# KiCad board main - copyOK.kicad_pcb (continued)
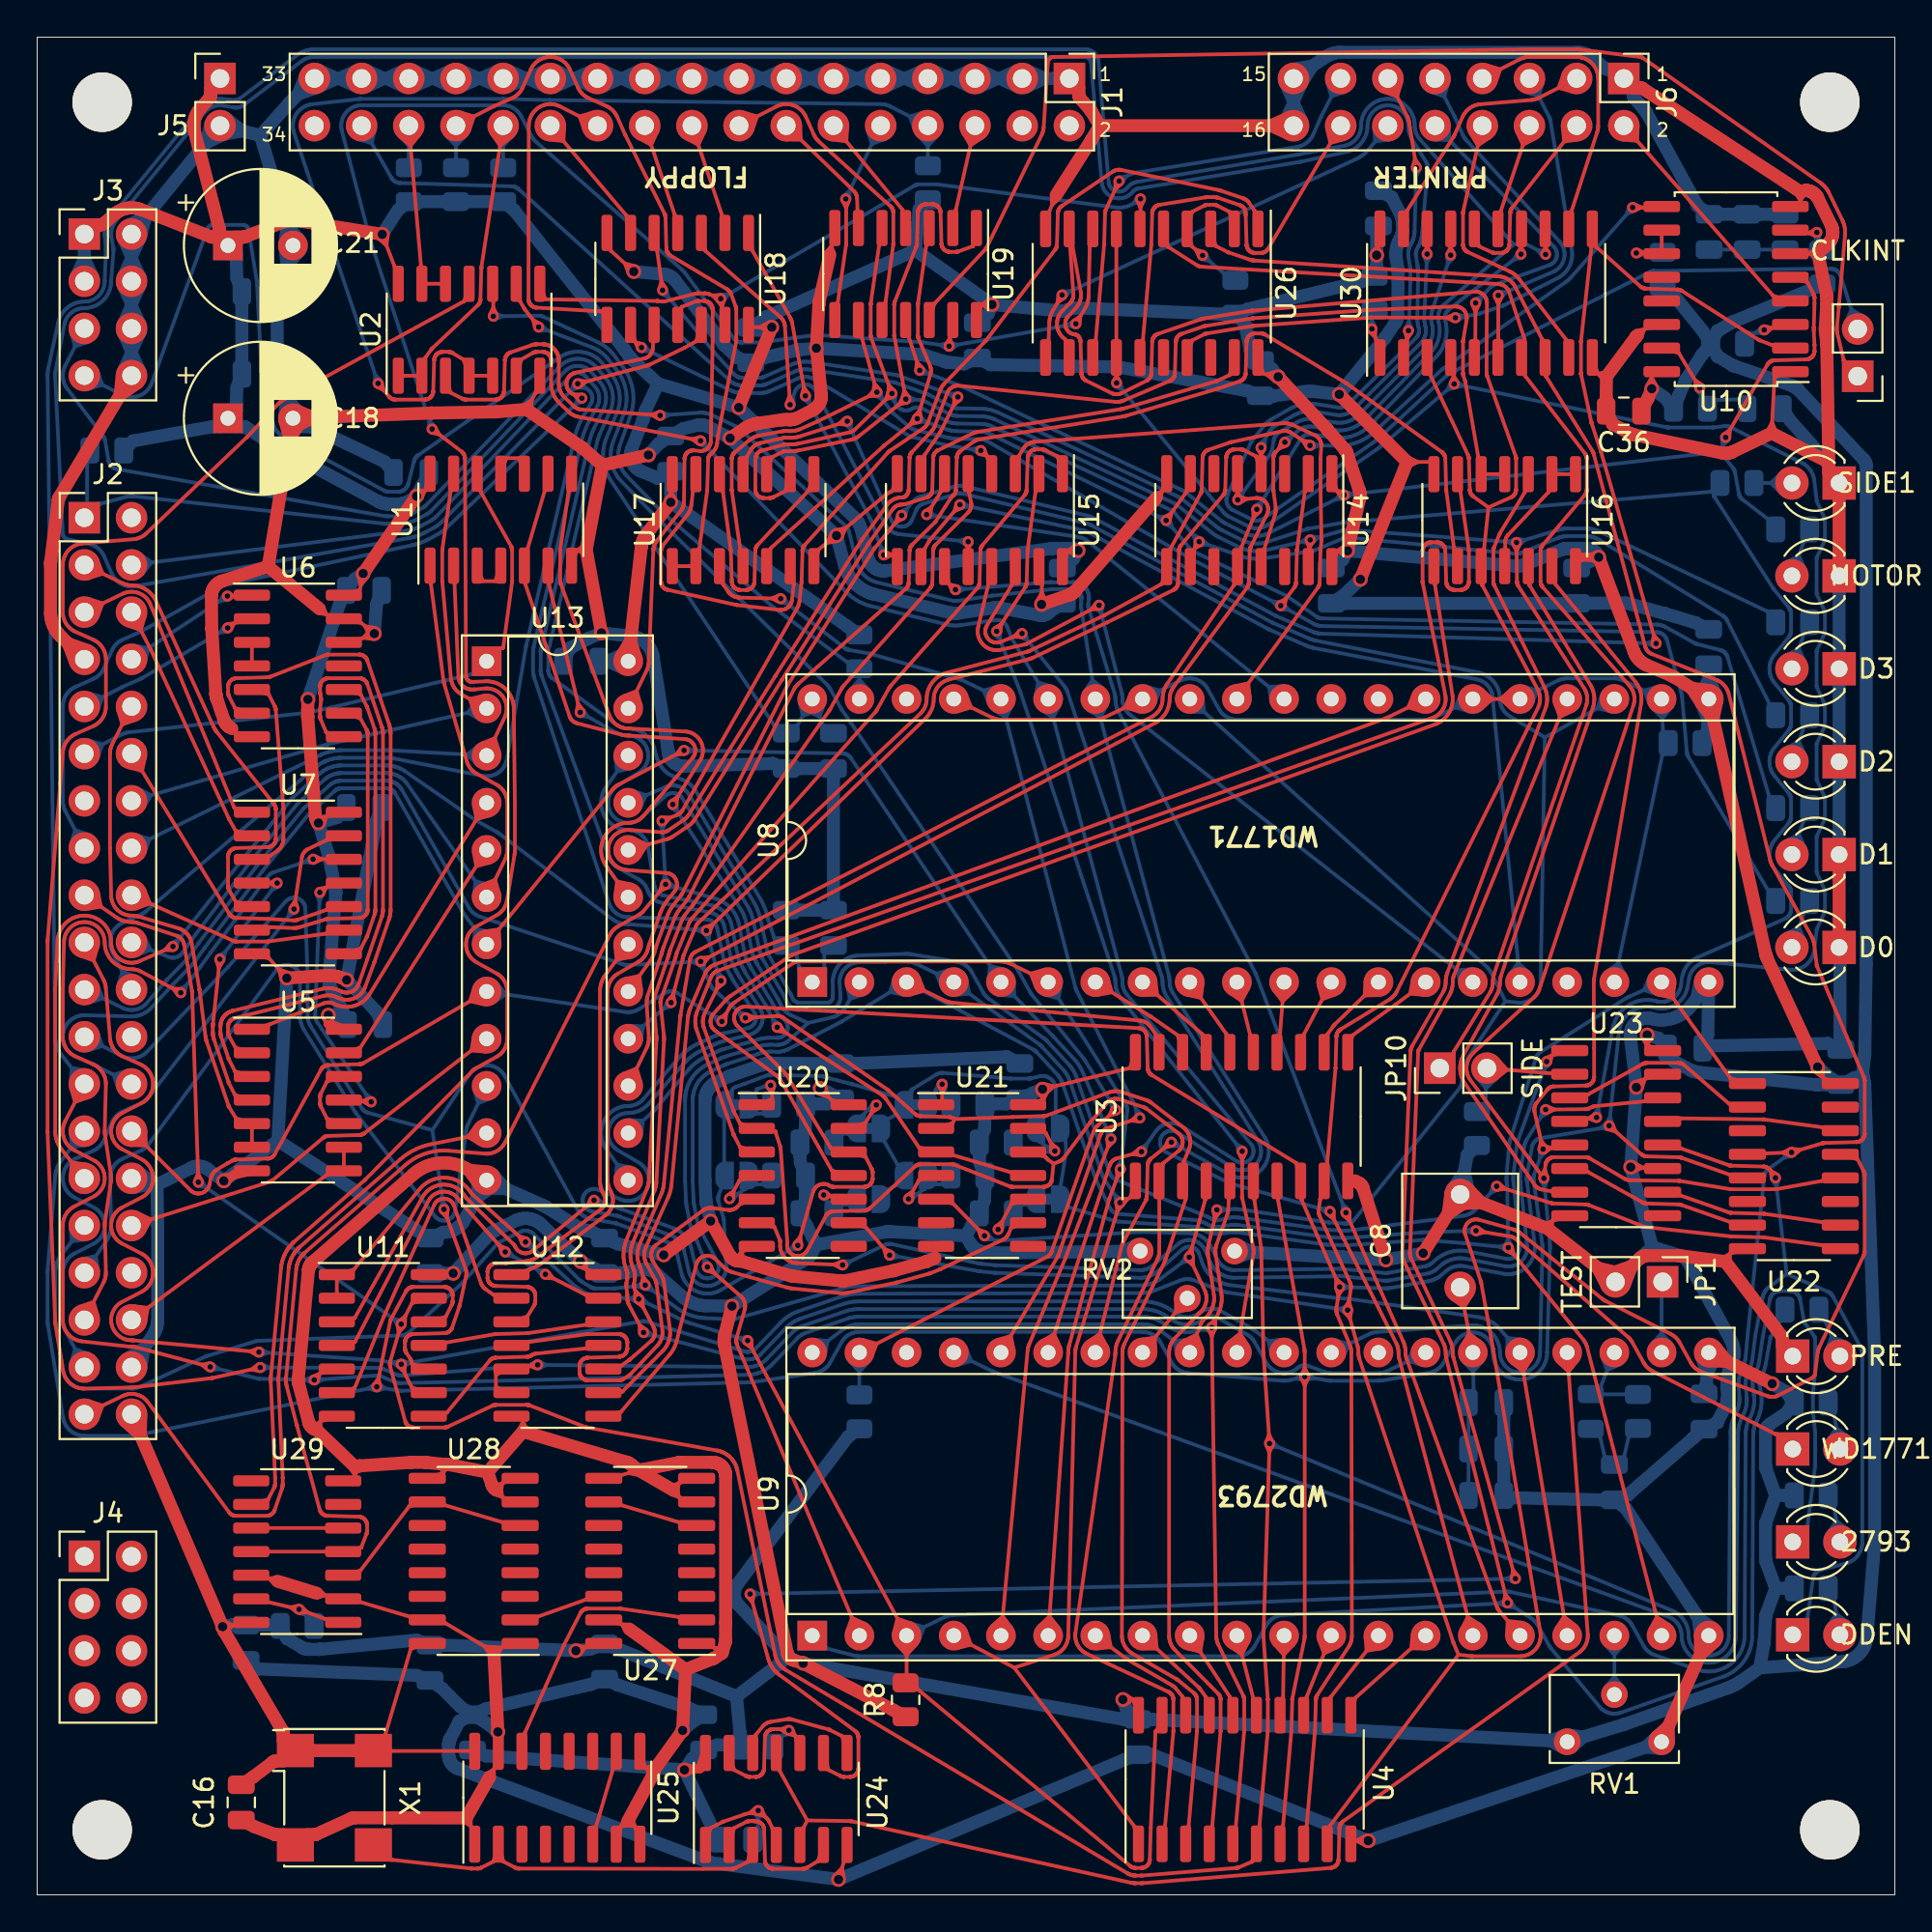
[diagram p0: board, top side]
## Routing (per net, layer and track width the routed paths; a pad name or vN(x,y) marks a point on that pad's centre or on a via; arc(x,y) is an arc through that point) (continued)
  Bottom w0.2: 87.22,48.47 86.49,48.71 86.8,49.41 ; JP9.1 47.06,43.18 47.06,43.28 47.06,43.3 47.07,43.32 47.08,43.34 47.09,43.36 47.11,43.37 48.4,44.16 48.42,44.17 48.45,44.19 48.48,44.2 48.5,44.21 48.53,44.22 48.56,44.23 48.59,44.23 48.62,44.24 48.65,44.24 48.68,44.25 48.71,44.25 48.74,44.25 48.77,44.25 52.4,43.94 52.42,43.94 53.37,43.94 53.4,43.94 53.45,43.94 53.48,43.95 53.49,43.95 53.96,44.06 54,44.07 54.04,44.07 54.08,44.08 54.12,44.08 54.17,44.08 54.21,44.07 54.25,44.07 54.29,44.06 54.33,44.04 54.37,44.03 54.41,44.01 54.45,43.99 54.49,43.97 54.52,43.95 54.56,43.92 54.59,43.9 54.62,43.87 54.65,43.84 54.68,43.8 54.7,43.77 54.73,43.73 54.75,43.7 54.77,43.66 54.78,43.62 54.8,43.58 54.81,43.54 54.82,43.5 54.82,43.45 54.83,43.41 54.83,43.37 54.83,41.91 JP7.1 55.35,40.6 55.36,40.58 55.36,40.57 55.39,40.08 55.39,40.06 55.39,40.04 55.39,40.02 55.39,40 55.39,39.98 55.39,39.96 55.38,39.94 55.1,38.2 55.1,38.2 JP6.1 55.53,37.01 55.54,37.01 58,36.28 58.03,36.27 58.06,36.26 58.09,36.26 58.12,36.25 58.15,36.25 58.19,36.24 58.22,36.24 62.13,35.98 62.2,35.97 62.28,35.96 62.35,35.95 62.43,35.93 62.5,35.91 62.57,35.89 62.64,35.86 62.71,35.83 62.78,35.8 62.84,35.76 62.86,35.75 62.92,35.72 62.97,35.69 63.03,35.67 63.09,35.65 63.15,35.63 63.21,35.61 63.27,35.6 63.34,35.59 63.4,35.59 63.46,35.58 63.53,35.58 63.59,35.58 63.65,35.59 64.34,35.67 64.38,35.67 64.41,35.67 64.45,35.67 64.49,35.67 64.52,35.67 64.56,35.67 64.59,35.67 69.35,35.01 69.39,35 69.43,35 69.48,35 69.52,34.99 69.56,34.99 70.15,34.98 70.19,34.98 70.22,34.98 70.26,34.98 70.31,34.97 70.36,34.97 70.4,34.97 70.44,34.97 70.49,34.97 70.53,34.97 70.57,34.97 74.56,35.25 74.59,35.25 74.63,35.25 74.66,35.25 76.79,35.08 76.84,35.08 v2(79.19,34.84) 79.13,38.15 79.13,38.18 79.13,38.21 79.12,38.23 79.12,38.25 79.11,38.32 79.1,38.39 79.1,38.46 79.1,38.53 79.1,38.6 79.1,38.67 79.1,38.73 79.23,40.29 79.24,40.35 79.24,40.41 79.25,40.46 79.26,40.52 79.28,40.58 79.29,40.64 79.31,40.69 80.67,45.04 80.68,45.07 80.7,45.1 80.71,45.12 80.72,45.15 80.74,45.18 80.75,45.2 80.77,45.23 80.79,45.25 80.81,45.27 80.83,45.3 80.86,45.32 80.88,45.34 80.91,45.35 80.93,45.37 85.45,48.22 85.5,48.24 85.54,48.27 85.59,48.3 85.64,48.32 85.68,48.34 85.73,48.37 U8.19 ; JP9.1 46.2,42.97 46.19,42.97 43.89,43.63 43.84,43.65 42.65,43.95 42.61,43.96 42.35,44.05 42.33,44.05 42.3,44.06 42.28,44.06 42.26,44.07 42.23,44.07 42.21,44.07 42.19,44.07 42.16,44.08 39.77,44.13 39.74,44.13 39.71,44.14 39.68,44.14 39.64,44.14 39.53,44.15 39.5,44.15 39.48,44.15 39.45,44.15 39.43,44.15 39.4,44.14 39.38,44.14 39.35,44.14 39.33,44.13 39.31,44.12 39.28,44.11 38.12,43.67 38.06,43.65 38.04,43.64 37.58,43.49 37.5,43.45 37.43,43.38 37.35,43.21 ; JP9.1 46.25,42 46.24,42 45.84,41.79 45.83,41.79 JP3.1 45.61,40.55 45.61,40.54 46.3,39.34 46.31,39.32 JP8.1 46.25,38.19 46.24,38.19 45.84,37.98 45.83,37.98 JP2.1 ; 37.35,43.21 JP5.1 36.98,41.78 36.98,39.47 JP4.1 36.82,38.01 36.7,37.69 36.68,37.66 36.68,37.63 36.67,37.6 36.66,37.57 36.66,37.54 36.66,37.51 36.66,37.48 36.66,37.44 36.66,37.41 36.66,37.38 36.67,37.35 36.67,37.32 36.68,37.29 36.93,36.48 36.94,36.45 36.95,36.43 36.95,36.41 36.96,36.38 36.96,36.36 36.96,36.33 36.97,36.31 37.1,33.85 37.1,33.79 37.09,33.72 37.09,33.66 37.08,33.6 37.06,33.54 37.05,33.48 37.02,33.42 37,33.36 36.97,33.3 36.94,33.25 36.9,33.2 36.87,33.15 36.82,33.1 36.78,33.06 36.73,33.01 36.68,32.97 36.63,32.94 36.58,32.91 36.52,32.88 36.46,32.85 36.4,32.83 36.34,32.81 36.28,32.8 36.22,32.79 36.16,32.78 36.1,32.78 36.03,32.78 35.97,32.78 35.91,32.79 35.85,32.8 35.78,32.82 35.72,32.84 35.67,32.86 35.61,32.89 35.55,32.92 35.5,32.95 35.45,32.99 35.4,33.03 35.36,33.07 35.31,33.12 35.27,33.17 35.24,33.22 35.2,33.27 35.17,33.33 35.14,33.38 35.12,33.44 35.1,33.5 35.08,33.56 34.82,34.7 34.8,34.76 34.78,34.82 34.76,34.88 34.74,34.93 34.71,34.99 34.68,35.04 34.64,35.09 34.61,35.14 34.57,35.19 34.52,35.23 34.48,35.27 34.43,35.31 34.38,35.35 34.33,35.39 34.28,35.42 34.23,35.45 34.17,35.47 34.11,35.5 31.36,36.51 31.32,36.53 31.29,36.53 31.24,36.55 31.2,36.56 31.19,36.56 29.87,36.79 29.83,36.8 29.8,36.81 29.76,36.82 29.73,36.84 29.69,36.85 29.66,36.87 29.63,36.89 29.6,36.92 29.57,36.94 29.54,36.97 29.51,36.99 29.49,37.02 29.47,37.06 29.45,37.09 29.43,37.12 29.41,37.16 29.4,37.19 29.39,37.23 29.38,37.27 29.37,37.3 29.37,37.34 29.37,37.38 29.37,37.42 29.37,37.46 29.37,37.49 29.38,37.53 29.39,37.57 29.4,37.6 29.42,37.64 29.44,37.67 29.45,37.71 29.47,37.74 29.5,37.77 29.52,37.8 29.55,37.83 29.58,37.85 29.61,37.88 29.64,37.9 29.67,37.92 29.7,37.94 29.74,37.95 29.77,37.97 29.81,37.98 29.85,37.99 29.88,37.99 29.92,38 29.96,38 30,38 30.04,38 30.07,37.99 30.11,37.99 30.15,37.98 30.18,37.97 30.22,37.95 31.37,37.45 31.44,37.42 31.5,37.4 31.57,37.38 31.63,37.37 31.7,37.36 31.77,37.36 31.84,37.36 31.91,37.36 31.98,37.37 32.04,37.38 32.11,37.4 32.17,37.42 32.24,37.44 32.3,37.47 32.36,37.5 32.42,37.53 32.48,37.57 32.53,37.62 32.58,37.66 32.63,37.71 32.67,37.76 32.72,37.82 32.75,37.87 32.79,37.93 32.82,37.99 32.85,38.06 32.87,38.12 32.89,38.19 32.91,38.25 32.92,38.32 32.92,38.39 32.93,38.46 32.92,38.52 32.92,38.59 32.91,38.66 32.89,38.73 32.88,38.79 32.85,38.86 32.83,38.92 32.8,38.98 32.76,39.04 32.73,39.1 32.69,39.16 32.64,39.21 32.59,39.26 32.54,39.3 32.49,39.35 32.44,39.39 32.38,39.42 31.27,40.07 31.21,40.11 31.16,40.15 31.11,40.19 31.06,40.23 31.02,40.28 30.97,40.33 30.93,40.38 30.9,40.44 30.86,40.49 30.84,40.55 30.81,40.61 30.79,40.68 30.77,40.74 30.76,40.8 30.74,40.87 30.74,40.93 30.74,41 30.74,41.06 30.74,41.13 30.75,41.19 30.77,41.26 30.78,41.32 30.8,41.38 30.83,41.44 30.86,41.5 30.89,41.56 30.92,41.62 30.96,41.67 31,41.72 31.05,41.77 31.1,41.81 31.15,41.85 31.2,41.89 31.25,41.93 31.31,41.96 31.37,41.99 31.43,42.02 31.49,42.04 31.56,42.05 31.62,42.07 31.69,42.08 31.75,42.08 31.82,42.09 31.89,42.09 31.97,42.09 32.05,42.1 32.12,42.12 32.2,42.14 32.27,42.16 32.35,42.19 32.42,42.22 32.49,42.25 32.56,42.29 32.62,42.33 32.69,42.37 32.75,42.42 32.81,42.47 32.86,42.53 32.91,42.58 34.78,44.71 34.8,44.74 34.83,44.77 34.86,44.8 34.89,44.83 34.96,44.9 35.02,44.96 35.08,45.01 35.14,45.06 35.2,45.11 35.26,45.16 35.33,45.2 35.41,45.26 35.47,45.29 35.52,45.33 35.57,45.36 35.63,45.39 35.68,45.42 35.74,45.44 36.43,45.76 36.47,45.78 36.56,45.82 36.62,45.85 36.69,45.87 36.76,45.9 36.83,45.92 36.9,45.94 36.97,45.96 38.35,46.31 38.4,46.32 38.46,46.34 38.51,46.36 38.56,46.38 38.61,46.41 38.65,46.44 38.7,46.47 38.74,46.51 38.78,46.55 38.82,46.58 38.85,46.63 38.89,46.67 38.92,46.72 38.94,46.76 38.97,46.81 38.99,46.86 39.01,46.92 39.02,46.97 39.04,47.02 39.05,47.08 39.05,47.13 39.06,47.19 39.05,47.24 39.05,47.3 39.04,47.35 39.03,47.41 39.02,47.46 39,47.51 38.98,47.56 38.96,47.61 38.94,47.66 38.91,47.71 37.83,49.37 37.8,49.42 37.78,49.47 37.75,49.51 37.72,49.56 37.7,49.61 37.68,49.65 37.66,49.68 37.64,49.72 37.63,49.74 37.58,49.82 37.54,49.89 37.5,49.98 37.46,50.06 37.43,50.14 37.4,50.23 37.37,50.31 37.35,50.4 37.33,50.49 37,52.11 36.99,52.16 36.97,52.21 36.95,52.26 36.93,52.32 36.91,52.36 36.88,52.41 36.85,52.46 36.82,52.5 36.78,52.55 36.74,52.59 36.71,52.63 36.66,52.66 36.62,52.7 36.58,52.73 36.53,52.76 36.48,52.79 36.43,52.81 36.38,52.83 36.33,52.85 36.27,52.87 36.22,52.88 33.63,53.4 33.58,53.41 33.52,53.42 33.47,53.44 33.42,53.46 33.37,53.49 33.32,53.51 33.27,53.54 33.23,53.57 33.18,53.61 33.14,53.64 33.1,53.68 33.06,53.72 33.03,53.77 33,53.81 32.97,53.86 32.94,53.91 32.91,53.95 32.89,54.01 32.87,54.06 32.86,54.07 32.84,54.13 32.82,54.18 32.79,54.23 32.76,54.28 32.73,54.33 32.7,54.38 32.66,54.42 32.63,54.47 32.59,54.51 32.54,54.54 32.5,54.58 32.45,54.62 32.4,54.65 32.36,54.68 31.28,55.28 31.23,55.3 31.18,55.34 31.14,55.37 31.09,55.4 31.05,55.44 31.01,55.48 30.97,55.52 30.94,55.57 30.9,55.61 30.87,55.66 30.85,55.71 30.82,55.76 30.8,55.81 30.78,55.86 27.16,65.59 27.15,65.63 27.14,65.66 27.13,65.7 27.13,65.72 27.12,65.74 27.12,65.76 27.12,65.78 27.11,65.8 27.11,65.85 27.11,65.89 27.1,65.93 27.1,66.88 27.11,66.92 27.11,66.97 27.11,67.01 27.12,67.04 27.12,67.07 27.13,67.09 29.73,78.25 29.76,78.35 29.78,78.45 29.82,78.55 29.85,78.65 29.89,78.75 29.93,78.85 29.98,78.95 30.49,79.99 30.52,80.06 30.55,80.13 30.57,80.19 30.59,80.26 30.61,80.34 30.62,80.41 30.62,80.48 30.63,80.55 30.62,80.63 30.62,80.7 30.61,80.77 30.6,80.84 30.58,80.91 30.56,80.98 30.53,81.05 30.5,81.12 30.47,81.18 30.44,81.25 30.4,81.31 30.35,81.37 30.31,81.42 29.83,81.97 29.79,82.02 29.75,82.06 29.7,82.09 29.66,82.13 29.61,82.16 29.56,82.19 29.51,82.21 29.46,82.24 29.4,82.26 29.35,82.27 29.29,82.29 29.24,82.3 29.18,82.3 29.12,82.31 29.07,82.3 29.01,82.3 28.95,82.29 28.9,82.28 28.84,82.27 28.79,82.25 28.73,82.23 28.68,82.21 28.63,82.18 28.58,82.15 28.53,82.12 28.49,82.09 28.45,82.05 28.41,82.01 21.23,74.52 21.2,74.49 21.17,74.46 21.14,74.43 21.1,74.4 21.07,74.38 21.03,74.35 20.99,74.33 20.95,74.31 20.53,74.08 20.5,74.06 20.47,74.05 20.45,74.04 20.38,74.01 20.33,73.98 20.27,73.96 20.22,73.94 20.16,73.92 20.1,73.9 20.05,73.88 20,73.87 19.95,73.86 19.89,73.85 19.83,73.83 19.77,73.83 19.72,73.82 19.66,73.81 19.61,73.81 19.58,73.8 19.54,73.8 19.5,73.8 19.47,73.8 19.43,73.8 18.93,73.8 18.9,73.8 18.86,73.8 18.82,73.8 18.79,73.8 18.75,73.81 18.68,73.81 18.67,73.82 5.21,75.28 5.16,75.29 5.11,75.29 5.06,75.29 5.01,75.29 4.97,75.28 4.92,75.28 4.87,75.27 4.82,75.26 4.78,75.25 3.42,74.88 3.39,74.88 3.29,74.88 J2.1 2.69,74.88 2.69,77.15 R1.2 ; 37.35,43.21 37.41,43.18 ; 79.12,35.03 78.71,34.89 79.09,34.67 ; 79.37,34.93 79.18,35.32 79.01,34.92
~{F_WRITE}: length 38.1
  Top w0.2: 23.53,63.64 23.29,64.37 24.04,64.55 ; 22.42,76.5 22.25,75.53 21.81,72.45 21.81,72.39 21.81,72.38 21.81,70.73 21.81,70.7 21.81,70.69 22.27,65.51 22.28,65.45 22.29,65.38 22.3,65.33 22.32,65.27 22.34,65.21 22.36,65.15 22.39,65.1 22.42,65.04 22.45,64.99 22.48,64.94 22.52,64.89 22.56,64.85 22.6,64.8 22.65,64.76 22.69,64.72 22.74,64.68 22.79,64.65 22.85,64.62 U13.2
  Bottom w0.2: 5.43,59.56 6.13,59.19 5.73,58.51 ; J2.14 15.54,61.91 15.62,61.93 15.66,61.94 15.71,61.95 15.74,61.96 U13.2 ; 23.85,63.26 23.18,63.64 23.62,64.27
~{MDDEN}: length 63.2
  Top w0.2: v2(81.2,42.27) 83.35,42.29 83.38,42.3 83.41,42.3 83.44,42.3 83.46,42.31 83.49,42.32 83.51,42.32 83.53,42.33 83.69,42.4 83.71,42.41 83.73,42.42 83.76,42.43 83.78,42.44 83.81,42.44 83.83,42.45 83.86,42.45 83.88,42.46 86.5,42.72 86.51,42.72 U23.14 ; v2(43.36,33.91) 40.91,34.01 40.85,34.01 40.8,34.02 40.74,34.03 40.69,34.04 40.64,34.06 40.59,34.08 40.54,34.1 40.49,34.12 40.44,34.15 40.39,34.18 40.35,34.22 40.31,34.25 40.27,34.29 40.23,34.33 40.19,34.37 40.16,34.42 40.13,34.46 40.1,34.51 40.08,34.56 40.06,34.61 40.04,34.66 40.02,34.72 40.01,34.77 40,34.82 40,34.88 39.99,34.93 39.99,34.99 40,35.14 40,35.16 39.99,35.19 39.99,35.22 39.98,35.24 39.97,35.27 39.69,35.94 39.69,35.94 U20.6 ; 81.29,42.09 81.68,42.28 81.28,42.45 ; 43.27,33.73 42.88,33.93 43.28,34.09
  Bottom w0.2: 43.36,34.11 43.79,34.11 43.51,33.78 ; v2(81.2,42.27) 80.2,40.68 80.18,40.65 80.16,40.61 80.14,40.57 80.12,40.53 80.11,40.49 80.09,40.45 80.08,40.41 80.07,40.37 80.06,40.33 80.05,40.29 79.83,38.75 79.83,38.7 79.82,38.66 79.82,38.61 79.82,38.56 79.82,38.51 79.82,38.46 79.83,38.42 79.84,38.37 79.84,38.33 79.85,38.3 79.85,38.28 80.2,34.95 80.21,34.89 80.21,34.83 80.21,34.77 80.2,34.71 80.19,34.64 80.18,34.58 80.16,34.53 80.14,34.47 80.11,34.41 80.09,34.36 80.06,34.3 80.02,34.25 79.98,34.2 79.94,34.16 79.9,34.11 79.86,34.07 79.81,34.03 79.76,34 79.71,33.96 79.65,33.93 79.6,33.91 79.54,33.88 79.48,33.87 79.42,33.85 79.36,33.84 79.3,33.83 79.24,33.82 79.18,33.82 79.12,33.82 79.06,33.83 79,33.84 76.9,34.24 76.81,34.26 76.73,34.26 76.65,34.27 76.57,34.27 76.49,34.27 76.4,34.26 76.32,34.25 76.24,34.23 76.16,34.21 76.09,34.18 76.01,34.15 75.93,34.12 75.86,34.08 75.79,34.04 75.72,34 75.65,33.95 75.59,33.9 75.33,33.68 75.29,33.65 75.25,33.62 75.2,33.59 75.16,33.56 75.11,33.54 75.06,33.52 75.01,33.5 74.96,33.48 74.91,33.46 74.86,33.45 74.81,33.44 72.8,33.08 72.76,33.07 72.72,33.07 72.68,33.06 72.64,33.06 72.6,33.06 72.56,33.06 72.52,33.06 72.48,33.06 70.18,33.31 70.14,33.31 70.11,33.31 70.08,33.31 69.79,33.3 69.75,33.3 69.72,33.29 69.68,33.29 69.65,33.29 64.48,33.22 64.4,33.22 64.31,33.22 64.23,33.23 64.16,33.25 64.08,33.27 64,33.29 63.92,33.32 63.85,33.35 63.78,33.39 63.71,33.43 63.64,33.47 63.57,33.52 63.51,33.57 63.45,33.62 63.4,33.68 63.34,33.74 63.29,33.81 63.25,33.87 63.21,33.94 63.17,34.01 63.13,34.09 62.87,34.69 62.85,34.74 62.82,34.79 62.79,34.84 62.76,34.88 62.72,34.93 62.69,34.97 62.65,35.01 62.6,35.04 62.56,35.08 62.51,35.11 62.47,35.14 62.42,35.16 62.36,35.19 62.31,35.2 62.26,35.22 62.2,35.23 62.15,35.24 62.09,35.25 62.04,35.25 61.98,35.25 61.93,35.25 61.87,35.24 61.82,35.23 61.76,35.22 61.71,35.2 61.66,35.18 61.6,35.16 61.56,35.13 61.51,35.1 61.46,35.07 61.42,35.03 60.04,33.87 60,33.84 59.96,33.81 59.92,33.78 59.87,33.75 59.83,33.73 59.78,33.71 59.74,33.69 59.69,33.67 59.64,33.66 59.59,33.65 59.54,33.64 59.49,33.63 59.44,33.63 59.39,33.63 59.34,33.63 51.66,33.89 51.63,33.89 51.6,33.89 51.58,33.9 51.55,33.9 50.85,33.96 50.81,33.97 50.78,33.97 50.74,33.98 50.7,33.99 50.66,33.99 46.02,35.03 45.99,35.03 45.96,35.04 45.93,35.04 45.9,35.04 45.87,35.04 45.84,35.04 45.81,35.04 45.77,35.03 45.74,35.03 45.71,35.02 45.68,35.01 45.66,35 45.63,34.98 v2(43.36,33.91) ; 81.31,42.1 80.95,41.86 81,42.3
~{PRINTREAD}: length 47.4
  Top w0.2: 48.09,75.37 48.08,75.35 48.06,75.33 48.03,75.31 48.01,75.29 48,75.28 47.97,75.26 47.95,75.25 47.93,75.24 47.89,75.22 47.87,75.21 46.74,74.87 46.72,74.86 46.7,74.86 46.67,74.85 46.65,74.85 46.63,74.85 46.6,74.84 46.58,74.84 46.56,74.84 46.52,74.84 46.49,74.84 46.46,74.83 46.43,74.83 46.4,74.82 46.37,74.82 46.35,74.81 46.32,74.8 46.29,74.78 46.26,74.77 46.24,74.76 46.21,74.74 46.19,74.72 46.16,74.7 46.14,74.68 46.12,74.66 46.1,74.64 46.08,74.62 46.06,74.59 44.74,72.72 44.72,72.69 44.71,72.68 40.09,65.41 40.08,65.4 35.43,57.94 35.4,57.89 35.36,57.84 35.33,57.79 35.29,57.75 35.25,57.7 35.2,57.66 35.16,57.62 35.11,57.58 35.07,57.55 35.02,57.51 34.21,56.97 34.17,56.94 34.14,56.92 34.1,56.9 34.06,56.89 34.03,56.87 33.99,56.85 33.95,56.84 33.91,56.83 U13.20 ; U26.19 64.19,81.81 64.18,81.81 63.51,81.5 63.48,81.48 63.46,81.48 58.51,80.02 58.47,80.01 58.44,80 58.4,79.99 58.37,79.98 58.33,79.97 50.64,78.75 50.6,78.75 50.56,78.74 50.53,78.73 50.49,78.72 50.46,78.71 50.42,78.7 50.39,78.68 50.35,78.66 48.48,77.76 48.46,77.75 48.44,77.74 48.41,77.71 48.39,77.7 48.37,77.67 48.35,77.65 48.33,77.63 48.31,77.6 48.29,77.57 48.27,77.53 48.26,77.51 48.25,77.48 48.24,77.45 48.24,77.42 48.23,77.37 48.23,77.36 48.19,75.64 48.18,75.62 48.18,75.59 48.18,75.56 48.17,75.54 48.16,75.51 48.15,75.48 48.15,75.47 48.13,75.44 48.12,75.41 48.11,75.4 48.09,75.38 ; 32.13,56.87 32.82,56.52 32.41,55.87
~{PRINTWRITE}: length 113.6
  Top w0.2: 87.3,67.49 87.02,67.82 86.95,67.39 ; 86.34,86.55 86.37,86.53 86.39,86.52 86.41,86.51 86.44,86.5 86.46,86.49 86.48,86.48 86.52,86.47 86.54,86.47 86.56,86.47 86.61,86.46 88.3,86.41 88.34,86.41 88.37,86.41 88.4,86.4 88.43,86.39 88.45,86.38 88.5,86.36 88.52,86.35 88.53,86.34 92.64,83.73 92.67,83.71 92.7,83.69 92.73,83.68 92.75,83.67 93.38,83.43 93.39,83.43 U10.2 ; 32.51,48.71 32.42,49.47 31.67,49.31 ; 46.62,74.08 46.23,73.89 46.34,74.31 ; 83.67,88.69 83.67,88.79 U30.11 83.93,88.71 83.93,88.7 86.31,86.58 86.33,86.56 86.34,86.55 ; v2(87.15,67.36) 84.19,77.66 84.18,77.7 83.68,79.21 83.67,79.25 83.66,79.28 83.11,81.83 83.11,81.86 83.1,81.9 83.1,81.92 83.1,83.59 83.11,83.62 83.11,83.65 83.66,88.68 83.67,88.69 ; v2(46.54,74.26) 45.1,72.52 45.08,72.49 45.06,72.47 45.06,72.46 40.44,65.19 40.42,65.16 40.41,65.14 40.39,65.11 40.38,65.09 40.37,65.06 34.74,53.94 34.73,53.91 34.71,53.88 34.7,53.86 34.68,53.83 34.66,53.81 34.65,53.78 34.63,53.76 34.27,53.31 34.21,53.24 34.16,53.17 34.11,53.09 34.06,53.01 34.02,52.93 33.98,52.85 33.95,52.76 33.91,52.68 33.34,51.11 33.32,51.06 33.3,51 33.29,50.95 33.27,50.89 33.26,50.84 33.25,50.82 33.24,50.76 33.22,50.7 33.2,50.64 33.17,50.58 33.15,50.52 33.12,50.47 33.09,50.41 33.05,50.36 33.02,50.31 U13.17
  Bottom w0.2: 87.06,67.18 86.67,67.37 87.07,67.54 ; v2(46.54,74.26) 47.09,74.94 47.12,74.98 47.15,75.01 47.18,75.04 47.22,75.07 47.25,75.1 47.29,75.13 47.33,75.16 47.37,75.18 47.41,75.21 47.46,75.23 47.5,75.25 47.54,75.26 47.59,75.28 49.38,75.81 49.43,75.83 49.48,75.84 49.53,75.84 49.57,75.85 49.62,75.85 49.67,75.86 49.72,75.85 49.77,75.85 49.82,75.85 49.87,75.84 49.91,75.83 56.49,74.25 56.56,74.23 56.63,74.21 56.69,74.19 56.76,74.17 56.83,74.14 56.89,74.11 56.95,74.07 66.66,68.86 66.68,68.84 66.7,68.84 68.65,68 68.68,67.99 68.7,67.98 68.73,67.97 68.76,67.96 68.78,67.95 68.81,67.94 68.85,67.93 68.88,67.92 68.91,67.92 68.95,67.91 68.98,67.9 69.01,67.9 69.04,67.9 69.1,67.89 69.14,67.89 69.15,67.89 v2(87.15,67.36) ; 46.73,74.21 46.84,74.63 46.45,74.44
Net-(C1-Pad1): length 10.2
  Top w0.2: 94.38,89.61 95.36,89.45 95.37,89.45 ; 95.37,89.45 95.73,89.3 ; 95.37,89.45 95.7,89.66 ; 95.37,89.45 v2(95.8,89.49)
  Bottom w0.2: C2.1 90.62,88.57 91.42,88.57 C3.1 92.67,88.56 93.46,88.56 C1.1 94.71,88.55 95.5,88.55 R3.2 95.8,88.95 95.8,89.05 ; 95.8,89.05 95.98,89.4 ; 95.8,89.05 95.63,89.4 ; 95.8,89.05 v2(95.8,89.49)
Net-(C45-Pad1): length 8.5
  Top w0.2: 89.3,81.1 89.25,81.54 89.61,81.29 ; v2(89.5,81.13) 88.38,82.99 U10.15
  Bottom w0.2: 89.58,80.69 89.34,81 ; 89.58,80.69 v2(89.5,81.13) ; 89.58,80.69 89.59,80.69 R36.2 90.42,80.47 91.55,80.5 91.55,80.5 C45.1 ; 89.58,80.69 89.69,81.07
Net-(J1-Pad6): length 7.2
  Top w0.2: U19.2 49.45,90.7 49.45,90.7 J1.6 ; 50.9,94.61 50.24,94.17 49.84,94.85
Net-(J1-Pad8): length 66.2
  Top w0.2: 19.01,80.58 18.99,80.6 18.97,80.62 18.94,80.65 18.94,80.66 v2(18.36,81.36) ; U2.5 U2.4 22.96,82.64 22.95,82.64 22.37,83 22.34,83.01 22.3,83.03 22.28,83.04 22.26,83.04 22.23,83.05 22.2,83.06 22.15,83.06 22.13,83.06 21.83,83.06 21.8,83.06 21.77,83.06 21.74,83.05 21.72,83.05 21.69,83.04 21.66,83.03 21.62,83.01 21.6,83 21.58,82.99 21.55,82.96 21.53,82.95 21.5,82.92 21.48,82.9 21.47,82.88 21.44,82.85 21.43,82.82 21.42,82.81 ; 18.27,81.18 18.66,80.99 18.55,81.41 ; 21.23,80.67 21.21,80.65 21.19,80.63 21.17,80.61 21.15,80.59 21.13,80.58 21.11,80.56 21.08,80.55 21.07,80.54 21.03,80.52 21.01,80.51 20.99,80.51 20.96,80.5 20.93,80.49 20.91,80.49 20.87,80.49 20.86,80.49 19.29,80.49 19.26,80.49 19.23,80.49 19.2,80.5 19.18,80.5 19.15,80.51 19.12,80.52 19.11,80.53 19.08,80.54 19.05,80.56 19.04,80.57 19.02,80.58 ; 21.23,80.67 21.25,80.7 21.26,80.73 21.27,80.74 21.29,80.78 21.3,80.8 21.3,80.82 21.31,80.85 21.32,80.88 21.32,80.9 21.32,80.94 21.37,82.61 21.37,82.65 21.38,82.68 21.38,82.71 21.39,82.74 21.4,82.77 21.42,82.81
  Bottom w0.2: 47.73,95.95 46.98,95.73 47.24,94.99 ; R16.2 J1.8 45.93,96.27 45.89,96.29 45.84,96.31 45.79,96.33 45.74,96.35 45.68,96.36 45.63,96.37 45.58,96.38 45.53,96.39 45.47,96.39 45.42,96.4 27.61,96.61 27.6,96.62 25.12,96.68 25.09,96.68 17.47,96.68 17.43,96.68 17.4,96.68 17.37,96.68 17.34,96.67 17.3,96.67 14.8,96.39 14.73,96.38 14.66,96.36 14.59,96.35 14.53,96.33 14.46,96.3 14.4,96.27 14.34,96.24 14.28,96.2 14.23,96.16 14.17,96.12 14.12,96.07 14.07,96.02 14.03,95.97 13.99,95.92 13.95,95.86 13.91,95.8 13.88,95.74 13.85,95.68 13.83,95.61 13.81,95.55 13.79,95.48 13.78,95.41 13.77,95.34 13.77,95.27 13.77,95.2 13.77,95.14 13.78,95.07 13.79,95 13.81,94.93 13.83,94.87 v2(18.36,81.36) ; 48.49,94.72 47.94,94.14 47.4,94.72 ; 18.16,81.38 18.2,81.82 18.5,81.5
Net-(J1-Pad10): length 14.3
  Top w0.2: v2(43.53,91.29) 43.55,90.56 43.55,90.55 43.55,88.9 43.55,88.87 43.55,88.83 43.1,85.75 U19.8 ; 43.35,91.2 43.54,90.81 43.71,91.21
  Bottom w0.2: 45.67,94.54 44.94,94.25 44.69,95 ; 43.4,91.44 43.73,91.72 43.73,91.29 ; J1.10 v2(43.53,91.29)
Net-(J1-Pad12): length 8.4
  Top w0.2: 43.61,95.18 43.56,94.39 42.77,94.49 ; U19.4 46.59,90.7 46.58,90.71 J1.12
Net-(J1-Pad14): length 8.7
  Top w0.2: U19.6 44.16,90.6 44.16,90.7 44.16,90.7 44.14,91.31 44.13,91.34 44.13,91.38 44.13,91.41 44.12,91.44 44.11,91.47 44.1,91.5 44.09,91.52 44.08,91.55 44.06,91.58 44.05,91.61 44.03,91.63 44.01,91.66 43.99,91.68 43.97,91.71 43.95,91.73 J1.14 ; 40.32,94.49 41.11,94.48 41.07,95.27
Net-(J1-Pad16): length 18.6
  Top w0.2: J1.16 39.8,96.27 39.86,96.3 39.92,96.32 39.98,96.34 40.05,96.36 40.11,96.38 40.18,96.39 40.25,96.39 40.31,96.4 40.38,96.39 40.45,96.39 40.51,96.38 40.58,96.37 40.65,96.35 40.71,96.33 40.77,96.31 40.83,96.28 40.89,96.25 40.95,96.21 41.01,96.17 41.06,96.13 41.11,96.09 41.16,96.04 41.21,95.99 41.25,95.94 41.29,95.88 41.32,95.83 41.36,95.77 41.38,95.71 41.81,94.76 41.83,94.72 41.85,94.68 41.87,94.63 41.9,94.59 41.93,94.55 41.95,94.52 41.99,94.48 42.02,94.44 42.05,94.41 42.09,94.37 45.93,90.9 45.95,90.88 45.97,90.86 45.99,90.84 46,90.83 46.02,90.8 46.03,90.77 46.04,90.76 46.06,90.72 46.07,90.7 46.07,90.68 46.08,90.65 46.09,90.62 46.09,90.6 46.09,90.56 46.09,90.55 46.09,88.9 46.09,88.87 46.09,88.83 45.67,85.75 45.67,85.74 U19.10 ; 38,95.95 38.75,95.73 38.49,94.99
Net-(J1-Pad18): length 7.6
  Top w0.2: 35.93,94.92 35.59,94.2 34.89,94.57 ; 37.02,89.46 36.86,90.44 36.86,90.44 J1.18
Net-(J1-Pad20): length 7.6
  Top w0.2: 33.39,94.92 33.05,94.2 32.35,94.57 ; U18.4 34.32,90.44 34.32,90.44 J1.20
Net-(J1-Pad22): length 20.6
  Top w0.2: J1.22 28.15,96.27 28.09,96.3 28.03,96.32 27.96,96.35 27.89,96.36 27.83,96.38 27.76,96.39 27.69,96.39 27.62,96.4 27.55,96.39 27.48,96.39 27.41,96.37 27.34,96.36 27.27,96.34 27.21,96.32 27.14,96.29 27.08,96.26 27.02,96.23 26.96,96.19 26.91,96.15 26.85,96.1 26.8,96.05 26.76,96 26.71,95.95 26.67,95.89 26.63,95.83 26.6,95.77 26.57,95.71 26.54,95.65 26.52,95.58 26.5,95.51 26.48,95.45 26.47,95.38 26.47,95.31 26.46,95.24 26.45,87.55 26.45,85.9 26.45,85.87 26.45,85.84 26.46,85.81 26.46,85.79 26.47,85.76 26.48,85.73 26.49,85.72 ; 26.63,85.53 26.66,85.51 26.69,85.5 26.7,85.49 26.74,85.47 26.76,85.46 26.78,85.46 26.81,85.45 26.84,85.44 26.86,85.44 26.89,85.44 30.37,85.24 30.37,85.24 30.47,85.24 U18.8 ; 26.49,85.72 26.5,85.68 26.52,85.66 26.54,85.62 26.56,85.6 26.58,85.58 26.6,85.56 26.62,85.54 26.63,85.53 ; 29.46,94.99 29.2,95.73 29.95,95.95
Net-(J1-Pad24): length 8.9
  Top w0.2: U18.6 31.71,90.41 31.71,90.41 J1.24 ; 28.37,95.19 28.33,94.4 27.54,94.49
Net-(J1-Pad26): length 21.5
  Top w0.2: U2.1 U2.2 20.9,82.74 20.9,82.75 21.19,83.16 21.2,83.18 21.22,83.2 21.23,83.21 21.25,83.23 21.27,83.25 21.28,83.26 23.71,85.56 23.74,85.59 23.76,85.61 23.77,85.62 23.79,85.65 23.8,85.68 23.81,85.69 23.83,85.73 23.84,85.75 23.84,85.77 23.85,85.8 23.86,85.83 23.86,85.85 23.86,85.89 23.91,87.56 23.91,87.61 23.92,87.62 25.09,95.23 ; 24.47,94.81 24.92,94.16 25.54,94.64
  Bottom w0.2: 25.63,94.72 25.09,94.14 24.54,94.72 ; 25.09,95.23 R15.2
Net-(J1-Pad28): length 45.4
  Top w0.2: 34.1,88.24 37.11,86.45 37.14,86.43 37.16,86.42 37.18,86.4 37.21,86.38 37.23,86.36 37.25,86.34 37.27,86.31 37.29,86.29 37.3,86.27 37.32,86.24 37.33,86.22 37.35,86.19 37.36,86.16 37.37,86.13 37.61,85.5 37.61,85.47 37.62,85.44 37.63,85.41 37.63,85.39 37.63,85.35 37.63,85.34 37.63,83.69 37.63,83.66 37.63,83.62 37.63,83.6 36.65,78.54 36.64,78.5 36.64,78.48 36.61,78.18 36.6,78.13 36.6,78.09 36.58,78.04 36.57,78 36.56,77.96 36.54,77.91 36.52,77.87 36.5,77.83 36.47,77.79 36.45,77.75 36.42,77.71 36.39,77.68 36.36,77.64 36.33,77.61 36.29,77.58 36.26,77.55 36.23,77.53 36.22,77.52 36.21,77.51 36.2,77.5 36.19,77.49 36.18,77.48 36.17,77.46 36.16,77.45 36.15,77.43 36.15,77.42 36.14,77.41 36.14,77.39 36.13,77.37 36.13,77.36 36.13,77.34 36.12,77.33 36.12,77.31 36.12,77.21 36.07,75.64 36.07,75.62 36.07,75.58 35.65,72.5 35.65,72.49 U17.2 U17.1 ; 23.25,94.99 23.51,95.73 22.76,95.95 ; 22.55,95.23 24.56,96.27 24.58,96.28 24.61,96.29 25.56,96.72 25.61,96.74 25.67,96.77 25.72,96.8 25.77,96.84 25.82,96.87 25.86,96.91 25.91,96.95 25.95,97 25.99,97.04 26.02,97.09 26.06,97.14 26.09,97.19 26.12,97.25 26.14,97.3 26.57,98.25 26.6,98.31 26.63,98.37 26.67,98.43 26.71,98.49 26.75,98.54 26.8,98.59 26.85,98.64 26.91,98.69 26.96,98.73 27.02,98.77 27.08,98.8 27.15,98.83 27.21,98.86 27.28,98.88 27.35,98.9 27.42,98.92 27.48,98.93 27.55,98.93 27.62,98.94 27.7,98.93 27.77,98.93 27.83,98.92 27.9,98.9 27.97,98.88 28.04,98.86 28.1,98.83 28.17,98.8 28.23,98.77 28.29,98.73 28.34,98.69 28.4,98.64 28.45,98.59 28.5,98.54 28.54,98.49 28.58,98.43 28.62,98.37 28.65,98.31 28.68,98.25 29.11,97.3 29.13,97.25 29.16,97.19 29.19,97.14 29.23,97.09 29.26,97.04 29.3,97 29.34,96.95 29.39,96.91 29.43,96.87 29.48,96.84 29.53,96.8 29.58,96.77 29.64,96.74 29.69,96.72 30.64,96.29 30.69,96.27 30.75,96.24 30.8,96.21 30.85,96.17 30.9,96.14 30.94,96.1 30.99,96.06 31.03,96.01 31.07,95.97 31.1,95.92 31.14,95.87 31.17,95.82 31.2,95.76 31.22,95.71 31.65,94.76 31.66,94.73 31.67,94.72 33.77,90.5 33.79,90.46 33.8,90.44 33.8,90.42 33.81,90.39 33.82,90.36 33.82,90.34 33.82,90.3 33.87,88.63 33.88,88.58 33.88,88.56 33.89,88.53 33.89,88.5 33.9,88.47 33.92,88.43 33.93,88.41 33.95,88.38 33.97,88.36 33.99,88.33 34,88.32 34.02,88.3 34.04,88.28 34.06,88.27 34.1,88.24 34.1,88.24
  Bottom w0.2: 23.09,94.72 22.55,94.14 22,94.72 ; 22.55,95.23 R14.2
Net-(J1-Pad30): length 15.2
  Top w0.2: 20.01,95.23 20.66,87.71 20.66,87.7 20.66,87.6 U2.13 U2.12 ; 20.59,94.77 20.1,94.15 19.51,94.67
  Bottom w0.2: 19.46,94.72 20.01,94.14 20.55,94.72 ; R13.2 20.01,95.23
